# Altium PCB Ref-Board-1.5-WA-r1.0.PcbDoc
Units mm, origin at the board's own origin, x right, y up, seen from the top; angles counter-clockwise.
Board outline 58.75 x 18.75 mm, 2 copper layers (Top Layer, Bottom Layer), stack 1.535 mm thick; 73 components, 45 nets, 254 pads, 123 vias.
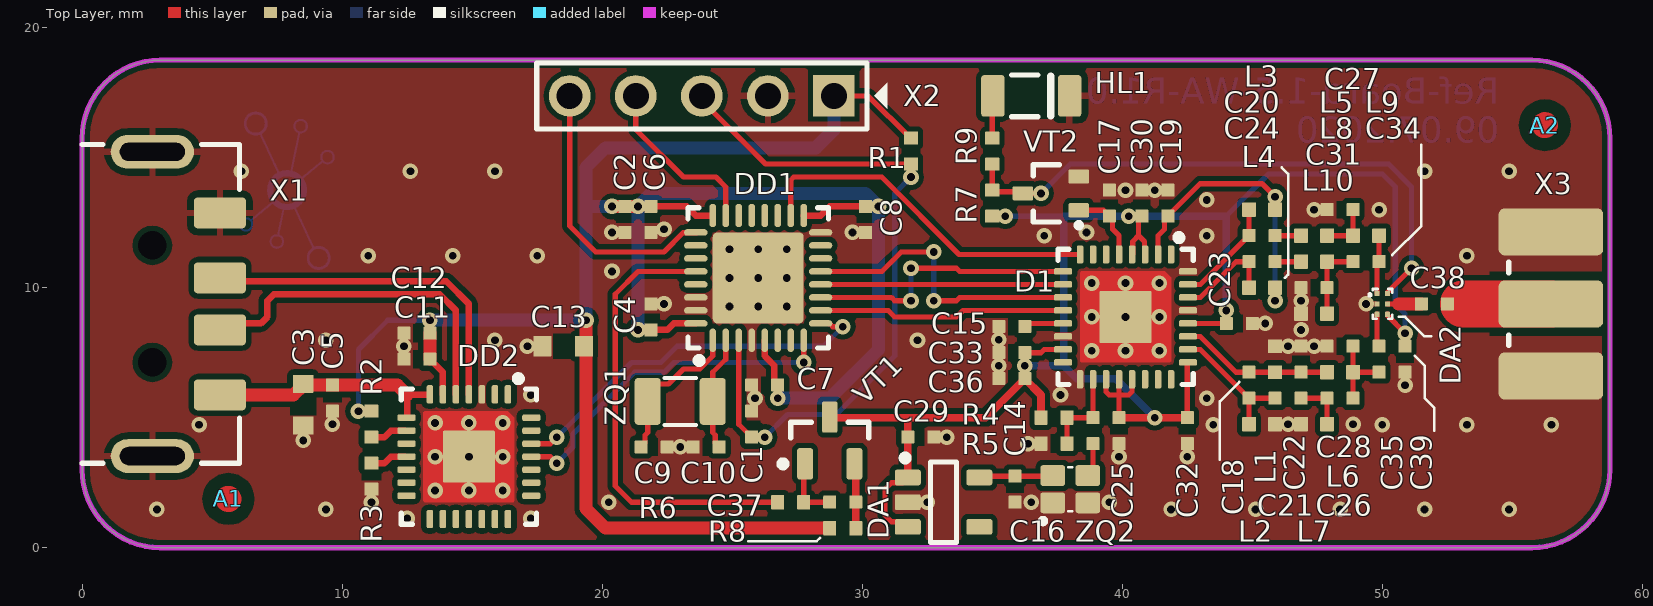
[diagram p0: Top Layer view]
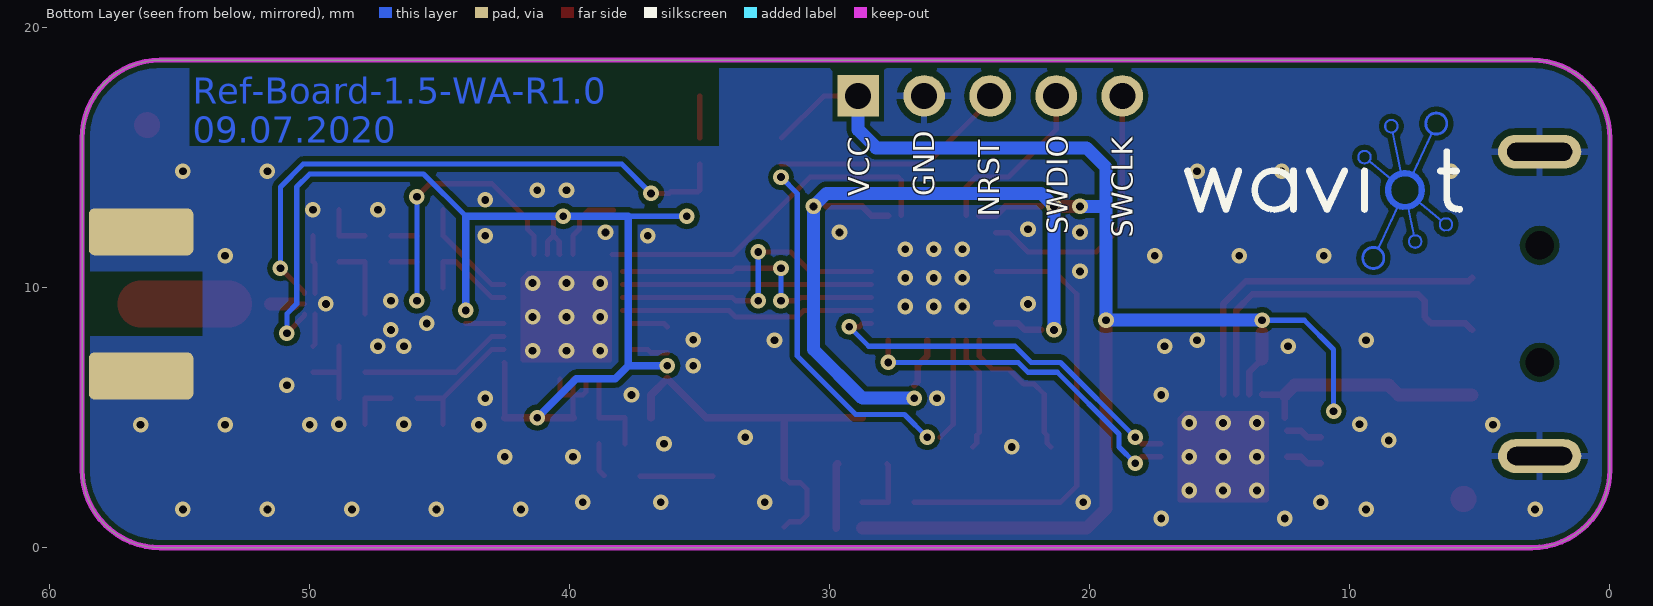
[diagram p1: Bottom Layer view, seen from below]
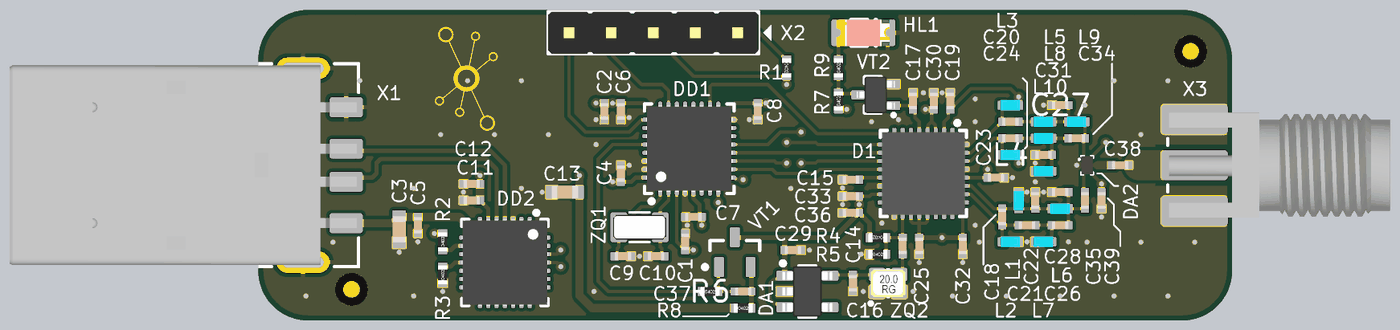
[diagram p2: 3D render of the assembled board from above, using the file's embedded part models]

## Layer stack, top to bottom
Top Solder: solder mask 0.0254, SM-001, Dk 4
Top Layer: signal copper 0.018
Dielectric 1: core 1.4986, Core-043, Dk 4.3
Bottom Layer: signal copper 0.018
Bottom Solder: solder mask 0.0254, SM-001, Dk 4

## Board outline
3,0 cw(c3,3) 0,3 0,15.75 cw(c3,15.75) 3,18.75 55.75,18.75 cw(c55.75,15.75) 58.75,15.75 58.75,3 cw(c55.75,3) 55.75,0

## Design rules (kind name [scope] priority, off if disabled: settings)
Clearance [All] p1: gap=0.125 ignorepadtopadclearanceinfootprint=FALSE except(0.2: Arc-Fill Arc-Poly Arc-Region Track-Fill Track-Poly Track-Region SMDPad-Fill SMDPad-Poly SMDPad-Region THPad-Fill THPad-Poly THPad-Region Via-Fill Via-Poly Via-Region Fill-Fill Fill-Poly Fill-Region Poly-Poly Poly-Region Region-Region)
ComponentClearance [All] p1: gap=0 collisioncheckmode=3 verticalgap=0 showdistances=FALSE
Height [All] p1: minheight=0 maxheight=32 prefheight=12.7
HoleSize [All] p1: absolutevalues=TRUE maxlimit=7 minlimit=0.2 maxpercent=80.000 minpercent=20.000
HoleToHoleClearance [All] p1: gap=0 allowstackedmicrovias=TRUE
MinimumSolderMaskSliver [All] p1 off: minsoldermaskwidth=0.1
PlaneClearance [All] p1: clearance=0.2
PlaneConnect [All] p1: planeconnectstyle=Direct reliefexpansion=0.508 reliefentries=4 reliefconductorwidth=0.254 reliefairgap=0.254
PolygonConnect PolygonConnectRelief [HasFootprint('1-1734028-1','PLS-5-2.54-PCB','LED1206_RED')] p1: thpad.connectstyle=Relief thpad.reliefconductorwidth=0.254 thpad.reliefentries=4 thpad.polygonreliefangle="90 Angle" thpad.airgapwidth=0.254 smdpad.connectstyle=Relief smdpad.reliefconductorwidth=0.254 smdpad.reliefentries=4 smdpad.polygonreliefangle="90 Angle" smdpad.airgapwidth=0.254 via.connectstyle=Direct via.reliefconductorwidth=0.254 via.reliefentries=4 via.polygonreliefangle="90 Angle" via.airgapwidth=0.254
PolygonConnect [All] p2: connectstyle=Direct reliefconductorwidth=0.254 reliefentries=4 polygonreliefangle="90 Angle" airgapwidth=0.254
RoutingVias [All] p1: holewidth=0.711 width=1.27 viastyle="Through Hole" minholewidth=0.711 minwidth=1.27 maxholewidth=0.711 maxwidth=1.27
SilkToSilkClearance [All] p1: silktosilkclearance=0
SilkToSolderMaskClearance [IsPad] p1: minsilkscreentomaskgap=0 clearancetoexposedcopper=TRUE
SolderMaskExpansion [All] p1: expansion=0.05 istentingtop=FALSE
Width [All] p1: maxlimit=3.2 minlimit=0.125 preferedwidth=0.2 minimp=50.000000 maximp=50.000000 favimp=50.000000
21 further rules are at their usual default settings.

## Components (designator, comment, footprint, x,y, rotation, side; value= is the part's Value field where it differs from the comment)
A1 "RepPointPCB" REPzn 5.625,1.875 r0 top
A2 "RepPointPCB" REPzn 56.25,16.25 r0 top
C1 "0.1u 25V" C0402 25.75,4.75 r90 top
C2 "4.7u 6.3V" C0402 20.875,12.625 r270 top
C3 "4.7u 10V" C0603 8.5,5.5 r90 top
C4 "0.1u 25V" C0402 21.875,8.875 r90 top
C5 "0.1u 25V" C0402 9.625,5.75 r90 top
C6 "0.1u 25V" C0402 21.875,12.625 r270 top
C7 "0.1u 25V" C0402 26.25,6.25 r180 top
C8 "0.1u 25V" C0402 30.125,12.625 r270 top
C9 "20p 50V" C0402 22,3.875 r0 top
C10 "20p 50V" C0402 24,3.875 r180 top
C11 "4.7u 6.3V" C0402 12.875,7.25 r0 top
C12 "0.1u 25V" C0402 12.875,8.25 r0 top
C13 "22u 6.3V" C0603 18.5,7.75 r0 top
C14 "1000p 50V" C0402 38.875,4.5 r90 top
C15 "0.1u 25V" C0402 35.75,8.5 r0 top
C16 "1u 6.3V" C0402 35.875,2.25 r90 top
C17 "0.1u 25V" C0402 39.5,13.25 r270 top
C18 "1.2p 50V" C0402 44.875,6.25 r270 top
C19 "0.1u 25V" C0402 41.75,13.25 r270 top
C20 "100p 50V" C0402 45.375,12 r0 top
C21 "2.7p 50V" C0402 46.375,5.75 r0 top
C22 "2.7p 50V" C0402 46.875,7.25 r270 top
C23 "0.1u 25V" C0402 44.5,8.625 r180 top
C24 "100p 50V" C0402 45.375,11 r0 top
C25 "0.1u 25V" C0402 39.875,4.5 r90 top
C26 "2.7p 50V" C0402 48.375,5.75 r0 top
C27 "6.2p 50V" C0402 48.375,13 r0 top
C28 "2.7p 50V" C0402 48.375,7.75 r0 top
C29 "1u 6.3V" C0402 32.25,4.25 r180 top
C30 "0.1u 25V" C0402 40.75,13.25 r270 top
C31 "3.6p 50V" C0402 47.375,10 r180 top
C32 "0.1u 25V" C0402 42.5,4.5 r90 top
C33 "0.1u 25V" C0402 35.75,7.5 r0 top
C34 "2.7p 50V" C0402 49.375,11 r0 top
C35 "100p 50V" C0402 49.875,7.25 r90 top
C36 "4.7u 6.3V" C0402 35.75,6.5 r0 top
C37 "0.1u 25V" C0402 29.25,1.75 r0 top
C38 "100p 50V" C0402 52,9.375 r0 top
C39 "0.1u 25V" C0402 50.875,7.25 r90 top
D1 "SWS1470-A0 QFN32" QFN32 40.125,8.875 r270 top
DA1 "AP2127K-1.8TRG1" SOT23-5 33.125,1.75 r270 top
DA2 "BGS12WN6E6327XTSA1" 6-XFDFN 50,9.375 r0 top
DD1 "STM32L071KBU6" UFQFPN32 26,10.375 r90 top
DD2 "CP2102-GMR" QFN28 14.875,3.5 r270 top
HL1 "APTR3216SRCPRV" LED1206_RED 36.5,17.375 r0 top
L1 "82nH" L0402_LQW 45.875,7.25 r90 top
L2 "82nH" L0402_LQW 45.375,4.75 r180 top
L3 "82nH" L0402_LQW 45.375,13 r0 top
L4 "82nH" L0402_LQW 45.375,10 r180 top
L5 "12nH" L0402_LQW 47.375,12 r0 top
L6 "10nH" L0402_LQW 48.375,6.75 r0 top
L7 "10nH" L0402_LQW 47.375,4.75 r0 top
L8 "12nH" L0402_LQW 47.375,11 r0 top
L9 "12nH" L0402_LQW 49.375,12 r0 top
L10 "12nH" L0402_LQW 47.375,9 r0 top
R1 "10k 1%" R0402 31.875,15.25 r270 top
R2 "10k 1%" R0402 11.125,4.75 r90 top
R3 "10k 1%" R0402 11.125,2.75 r90 top
R4 "1M 1%" R0402 37.375,5 r180 top
R5 "1M 1%" R0402 37.375,4 r0 top
R6 "1k 1%" R0402 27.25,1.75 r0 top
R7 "1k 1%" R0402 35,13.25 r90 top
R8 "1R 1%" R0402 29.25,0.75 r0 top
R9 "1k 1%" R0402 35,15.25 r90 top
VT1 "DMG2301L" SOT23-3L 28.75,4.125 r0 top
VT2 "PDTC143ZU" SOT323 37.25,13.625 r90 top
X1 "1-1734028-1" 1-1734028-1 0,9.375 r270 top locked
X2 "PLS-5" PLS-5-2.54-PCB 23.83,17.375 r180 top
X3 "CON-SMA-EDGE-S" CON-SMA-EDGE-S 58.75,9.375 r270 top locked
ZQ1 "32.768 kHz" QSMD3.2X1.5X0.8 23,5.625 r0 top
ZQ2 "26MHz 2ppm" QSMD2.0x1.6x0.7 38,2.25 r0 top

## Footprints (in the part's own frame and the unit in brackets; to place one, negate y for a bottom-side part, rotate by r counter-clockwise, add the part's x,y. Pads: shape width x height; smd on the part's side, far side on the other; paste and mask are expansions set on the pad)
1-1734028-1 [mm] "USB-A Connector 4 Position Surface Mount, Right Angle; Through Hole"
  rrect25% 1.2x2 smd: 1(3.5,5.3) 2(1,5.3) 3(-1,5.3) 4(-3.5,5.3)
  oval 1.3x3.2 hole 0.7 slot 2.5 at 90 deg: 5(-5.85,2.7) 5(5.85,2.7)
  round 0 hole 1.1 unplated mask+0: ""(-2.25,2.7) ""(2.25,2.7)
  silkscreen extent -6.12,0 6.12,6.05, body extent -6.02,-15 6.02,5.95, height 2.25
6-XFDFN [mm] "QFN, 10-Leads, Body 1,15x1,55mm, Pitch 0,4mm"
  rrect25% 0.2x0.2 smd: 1(-0.2,0.4) 2(-0.2,0) 3(-0.2,-0.4) 4(0.2,-0.4) 5(0.2,0) 6(0.2,0.4)
  silkscreen extent -0.52,-0.57 0.37,0.57, body extent -0.35,-0.55 0.35,0.55, height 0.38
C0402 [mm] "Chip Capacitor 0402"
  rrect10% 0.5x0.5 smd: 1(-0.5,0) 2(0.5,0)
  Top Layer pour cut-out: -0.15,0.35 0.15,0.35 0.15,-0.35 -0.15,-0.35
  body extent -0.5,-0.25 0.5,0.25, height 0.5
C0603 [mm] "Chip Capacitor 0603"
  rrect10% 0.7x0.8 smd: 1(-0.8,0) 2(0.8,0)
  Top Layer pour cut-out: -0.4,0.5 0.4,0.5 0.4,-0.5 -0.4,-0.5
  body extent -0.8,-0.4 0.8,0.4, height 0.8
CON-SMA-EDGE-S [mm]
  rrect25% 1.81x4.022 smd: 1(0,-2.267) 2(-2.77,-2.267) 2(2.77,-2.267)
  rrect25% 1.81x4.022 smd far side: 2(-2.77,-2.267) 2(2.77,-2.267)
  Multi-Layer pour cut-out: -1.25,-4.63 1.25,-4.63 1.25,-0.055 -1.25,-0.055
  silkscreen extent -1.6,-3.88 1.6,-3.88, body extent -3.17,-3.81 3.17,9.52, height 3.83
L0402_LQW [mm] "Chip Inductor 0402"
  rrect10% 0.53x0.55 smd: 1(-0.5,0) 2(0.5,0)
  body extent -0.59,-0.32 0.6,0.32, height 0.65
LED1206_RED [mm]
  rrect25% 0.9x1.6 smd: 1(-1.475,0) 2(1.475,0)
  Top Layer pour cut-out: -0.85,0.9 0.85,0.9 0.85,-0.9 -0.85,-0.9
  silkscreen extent -0.75,-0.8 0.75,0.8, body extent -1.6,-0.8 1.6,0.8, height 1.1
PLS-5-2.54-PCB [mm] "Lead spase 2.54, 5-pin"
  rect 1.6x1.6 hole 1: 1(-5.08,0)
  round 1.6 hole 1: 2(-2.54,0) 3(0,0) 4(2.54,0) 5(5.08,0)
  silkscreen extent -7.12,-1.27 6.35,1.27, body extent -6.35,-1.27 6.35,1.27, height 8.54
QFN28 [mm] "QFN, 28-Leads, Body 5,00x5,00mm, Pitch 0,50mm, Thermal Pad 3,5x3,5mm"
  rrect50% 0.7x0.25 smd: 1(-2.4,1.5) 2(-2.4,1) 3(-2.4,0.5) 4(-2.4,0) 5(-2.4,-0.5) 6(-2.4,-1) 7(-2.4,-1.5) 15(2.4,-1.5) 16(2.4,-1) 17(2.4,-0.5) 18(2.4,0) 19(2.4,0.5) 20(2.4,1) 21(2.4,1.5)
  rrect50% 0.25x0.7 smd: 8(-1.5,-2.4) 9(-1,-2.4) 10(-0.5,-2.4) 11(0,-2.4) 12(0.5,-2.4) 13(1,-2.4) 14(1.5,-2.4) 22(1.5,2.4) 23(1,2.4) 24(0.5,2.4) 25(0,2.4) 26(-0.5,2.4) 27(-1,2.4) 28(-1.5,2.4)
  rrect5% 2x2 smd mask+0.05: 29(0,0)
  Top Layer region: -1.75,1.5 -1.5,1.75 1.7,1.75 1.75,1.7 1.75,-1.7 1.7,-1.75 -1.7,-1.75 -1.75,-1.7
  silkscreen extent -3.12,-2.6 2.6,2.6, body extent -2.6,-2.6 2.6,2.6, height 1
QFN32 [mm] "QFN, 32-Leads, Body 5,00x5,00mm, Pitch 0,50mm, Thermal Pad 3,5x3,5mm"
  rrect50% 0.7x0.25 smd: 1(-2.4,1.75) 2(-2.4,1.25) 3(-2.4,0.75) 4(-2.4,0.25) 5(-2.4,-0.25) 6(-2.4,-0.75) 7(-2.4,-1.25) 8(-2.4,-1.75) 17(2.4,-1.75) 18(2.4,-1.25) 19(2.4,-0.75) 20(2.4,-0.25) 21(2.4,0.25) 22(2.4,0.75) 23(2.4,1.25) 24(2.4,1.75)
  rrect50% 0.25x0.7 smd: 9(-1.75,-2.4) 10(-1.25,-2.4) 11(-0.75,-2.4) 12(-0.25,-2.4) 13(0.25,-2.4) 14(0.75,-2.4) 15(1.25,-2.4) 16(1.75,-2.4) 25(1.75,2.4) 26(1.25,2.4) 27(0.75,2.4) 28(0.25,2.4) 29(-0.25,2.4) 30(-0.75,2.4) 31(-1.25,2.4) 32(-1.75,2.4)
  rrect5% 2x2 smd mask+0.05: 33(0,0)
  Top Layer region: -1.75,1.5 -1.5,1.75 1.7,1.75 1.75,1.7 1.75,-1.7 1.7,-1.75 -1.7,-1.75 -1.75,-1.7
  silkscreen extent -3.17,-2.6 2.6,2.6, body extent -2.5,-2.5 2.5,2.5, height 0.94
QSMD2.0x1.6x0.7 [mm]
  rrect25% 0.95x0.8 smd: 1(-0.675,-0.525) 2(0.675,-0.525) 3(0.675,0.525) 4(-0.675,0.525)
  silkscreen extent -1.15,-1.32 0.08,0.85, body extent -1.05,-0.85 1.05,0.85, height 0.56
QSMD3.2X1.5X0.8 [mm]
  rrect25% 1x1.8 smd: 1(-1.25,0) 3(1.25,0)
  silkscreen extent -0.6,-0.9 0.6,0.9, body extent -1.6,-0.75 1.6,0.75, height 0.71
R0402 [mm] "Chip Resistor 0402"
  rrect10% 0.5x0.55 smd: 1(-0.5,0) 2(0.5,0)
  Top Layer pour cut-out: -0.15,0.375 0.15,0.375 0.15,-0.375 -0.15,-0.375
  body extent -0.57,-0.27 0.57,0.27, height 0.41
REPzn [mm]
  Top Layer circle w0.5: c0,0 r0.25
  Top Layer pour cut-out: -0.725,0.7 -0.55,0.825 -0.375,0.925 -0.2,0.975 0,1 0.2,0.975 0.375,0.925 0.55,0.825 0.725,0.7 0.85,0.525 0.925,0.375 0.975,0.175 1,0 0.975,-0.2 0.925,-0.4 0.825,-0.55 0.725,-0.7 0.575,-0.825 0.4,-0.925 0.2,-0.975 0,-1 -0.2,-0.975 -0.375,-0.925 -0.55,-0.825 -0.725,-0.7 -0.825,-0.55 -0.925,-0.375 -0.975,-0.2 -1,0 -0.975,0.2 -0.925,0.375 -0.825,0.55
SOT23-3L [mm] "SOT23, 3-Leads, Body 2.9x1.3mm, Pitch 0.95mm, Lead Span 2.5mm, IPC High Density"
  rrect25% 0.6x1.2 smd: 1(-0.95,-0.9) 2(0.95,-0.9) 3(0,0.9)
  silkscreen extent -1.92,-1.02 1.5,0.7, body extent -1.45,-1.4 1.45,1.4, height 1.3
SOT23-5 [mm] "SOT23, 5-Leads, Body 2,90x2,80mm, Pitch 0,95mm, IPC Medium Density"
  rrect25% 0.6x1 smd: 1(-0.95,-1.375) 2(0,-1.375) 3(0.95,-1.375) 4(0.95,1.375) 5(-0.95,1.375)
  silkscreen extent -1.82,-1.6 1.55,0.5, body extent -1.53,-1.5 1.52,1.5, height 1.45
SOT323 [mm] "SOT323, 3-Leads, Body 2,00x2,10mm, Pitch 0,65mm, IPC Medium Density"
  rrect25% 0.55x0.8 smd: 1(-0.65,-1.075) 2(0.65,-1.075) 3(0,1.075)
  silkscreen extent -1.32,-1.17 1.1,0.67, body extent -1.1,-1.15 1.1,1.15, height 1.1
UFQFPN32 [mm] "QFN, 32-Leads, Body 5,00x5,00mm, Pitch 0,50mm, Thermal Pad 3,50x3,50mm, IPC Medium Density"
  oval 0.9x0.25 smd: 1(-2.4,1.75) 2(-2.4,1.25) 3(-2.4,0.75) 4(-2.4,0.25) 5(-2.4,-0.25) 6(-2.4,-0.75) 7(-2.4,-1.25) 8(-2.4,-1.75) 17(2.4,-1.75) 18(2.4,-1.25) 19(2.4,-0.75) 20(2.4,-0.25) 21(2.4,0.25) 22(2.4,0.75) 23(2.4,1.25) 24(2.4,1.75)
  oval 0.25x0.9 smd: 9(-1.75,-2.4) 10(-1.25,-2.4) 11(-0.75,-2.4) 12(-0.25,-2.4) 13(0.25,-2.4) 14(0.75,-2.4) 15(1.25,-2.4) 16(1.75,-2.4) 25(1.75,2.4) 26(1.25,2.4) 27(0.75,2.4) 28(0.25,2.4) 29(-0.25,2.4) 30(-0.75,2.4) 31(-1.25,2.4) 32(-1.75,2.4)
  rrect10% 3.5x3.5 smd: 33(0,0)
  silkscreen extent -3.3,-2.7 2.7,2.7, body extent -2.6,-2.6 2.6,2.6, height 0.6

## Part data
A1 A2: library part RepPointCircD1.0, "Repere point d=0.5mm, D=1mm"
C1 C4 C5 C6 C7 C8 C12 C15 C17 C19 C23 C25 C30 C32 C33 C37 C39: library part CC0402KRX7R8BB104, "CAP CER 0.1UF 25V X7R 0402", PartNumber=CC0402KRX7R8BB104
C2 C11 C36: library part CC0402KRX5R5BB475, "CAP CER 4.7UF 6.3V X5R 0402", PartNumber=CC0402KRX5R5BB475
C3: library part CC0603KRX5R6BB475, "CERCAP 4.7/10V 0603 KX5R", PartNumber=CC0603KRX5R6BB475
C9 C10: library part CC0402JRNPO9BN200, "CAP CER 20PF 50V C0G/NPO 0402", PartNumber=CC0402JRNPO9BN200
C13: library part GRM188R60J226MEA0J, "CAP CER 22UF 6.3V X5R 0603", PartNumber=GRM188R60J226MEA0J
C14: library part CC0402JRX7R9BB102, "CAP CER 1000PF 50V X7R 0402", PartNumber=CC0402JRX7R9BB102
C16 C29: library part CC0402KRX5R5BB105, "CAP CER 1UF 6.3V X5R 0402", PartNumber=CC0402KRX5R5BB105
C18: library part CC0402BRNPO9BN1R2, "CAP CER 1.2PF 50V C0G/NPO 0402", PartNumber=CC0402BRNPO9BN1R2
C20 C24 C35 C38: library part CC0402JRNPO9BN101, "CAP CER 100PF 50V C0G/NPO 0402", PartNumber=CC0402JRNPO9BN101
C21 C22 C26 C28 C34: library part CC0402BRNPO9BN2R7, "CAP CER 2.7PF 50V C0G/NPO 0402", PartNumber=CC0402BRNPO9BN2R7
C27: library part CC0402CRNPO9BN6R2, "CAP CER 6.2PF 50V NPO 0402", PartNumber=CC0402CRNPO9BN6R2
C31: library part CC0402BRNPO9BN3R6, "CAP CER 3.6PF 50V NPO 0402", PartNumber=CC0402BRNPO9BN3R6
D1: "Waviot NB-Fi RF Transceiver QFN32", PartNumber="SWS1470-A0 QFN32"
DA1: "LDO Voltage Regulators 1.8V 80mA CMOS LDO w/Enable", PartNumber=AP2127K-1.8TRG1
DA2: "RF Switch IC WLAN SPDT 50Ohm PG-TSNP-6-10", PartNumber=BGS12WN6E6327XTSA1
DD1: "ARM® Cortex®-M0+ STM32L0 Microcontroller IC 32-Bit 32MHz 128KB (128K x 8) FLASH 32-UFQFPN (5x5)", PartNumber=STM32L071KBU6
DD2: "IC USB-TO-UART BRIDGE 28VQFN", PartNumber=CP2102-GMR
HL1: "Red 640nm LED Indication - Discrete 1.85V 1206", PartNumber=APTR3216SRCPRV
L1 L2 L3 L4: library part LQW15AN82NG00D, "FIXED IND 82NH 130MA 2.24 OHM", PartNumber=LQW15AN82NG00D
L5 L8 L9 L10: library part LQW15AN12NG00D, "FIXED IND 12NH 500MA 140 MOHM", PartNumber=LQW15AN12NG00D
L6 L7: library part LQW15AN10NG00D, "FIXED IND 10NH 500MA 170 MOHM", PartNumber=LQW15AN10NG00D
R1 R2 R3: library part RC0402FR-0710KL, "RES SMD 10K OHM 1% 1/16W 0402", PartNumber=RC0402FR-0710KL
R4 R5: library part RC0402FR-071ML, "RES SMD 1M OHM 1% 1/16W 0402", PartNumber=RC0402FR-071ML
R6 R7 R9: library part RC0402FR-071KL, "RES SMD 1K OHM 1% 1/16W 0402", PartNumber=RC0402FR-071KL
R8: library part RC0402FR-071RL, "RES SMD 1 OHM 1% 1/16W 0402", PartNumber=RC0402FR-071RL
VT1: "MOSFET P-CH 20V 3A SOT23", PartNumber=DMG2301L
VT2: "TRANS PREBIAS NPN 200MW SOT323", PartNumber=PDTC143ZU
X1: "USB-A (USB TYPE-A) USB 2.0 Plug", PartNumber=1-1734028-1
X2: "PLS-5-2.54", PartNumber=PLS-5
X3: "CONN SMA JACK STR EDGE MNT", PartNumber=CON-SMA-EDGE-S
ZQ1: library part NX3215SA-32.768K-EXS00A, "CRYSTAL 32.768KHZ 12.5PF SMD", PartNumber=NX3215SA-32.768K-EXS00A
ZQ2: library part NT2016SA-26.000000MHZ-NBG2, "TCXO Oscillator 4-pin", PartNumber=NT2016SA-26.000000MHZ-NBG2

## Via types
v1: diameter 0.6, hole 0.3, Top Layer to Bottom Layer, tented both sides, 123 vias

## Nets (pads, with @x,y where several pads share a name; then routed paths per layer and width w, separated by ;. In a path a pad name is that pad's centre, name@x,y a point inside that pad or via, vN(x,y) a via of type N, cw(c..) or ccw(c..) an arc to the next point about the centre after c; other vN are vias at no path point)
+5V: C3.2 C5.2 DD2.7 DD2.8 X1.1 | length 9.2
  Top Layer w0.25: DD2.8@12.5,5 12.5,5.729 12.646,5.875 13.375,5.875 DD2.7
  Top Layer w0.5: X1.1 8.125,5.875 8.5,6.25 C5.2 12.125,6.25 12.5,5.875
CHIP_IRQ: D1.8 DD1.18 | length 13.8
  Top Layer w0.2: DD1.18 27.25,14.133 27.367,14.25 30.75,14.25 33.725,11.275 D1.8
CHIP_NPWR: DD1.28 R6.1 | length 17.3
  Top Layer w0.2: DD1.28 21.375,10.625 20.5,9.75 20.5,2.375 21.125,1.75 R6.1
CHIP_NSS: D1.12 DD1.10 | length 9.8
  Top Layer w0.2: DD1.10 31,9.125 31.25,8.875 33.625,8.875 33.875,9.125 D1.12@37.975,9.125
CHIPVCC: C23.2 C25.2 C29.2 C30.2 C32.2 C33.2 C36.2 C39.2 D1.3 D1.4 D1.15 D1.19 D1.20 D1.21 D1.25 D1.28 DA1.1 DA1.3 DA2.4 R4.2 R7.1 VT1.3 | length 67.2
  Top Layer w0.2: DA1.3 31.55,1 31.125,1 30.875,1.25 30.875,2.25 31.125,2.5 31.55,2.5 DA1.1 ; C33.2 36.875,7.5 37,7.625 D1.15 ; D1.19@39.375,6.5 39.375,6 39.5,5.875 39.875,5.875 ; C25.2 39.875,5.875 ; D1.20 39.875,5.875 ; D1.21 40.375,6 40.25,5.875 39.875,5.875 ; D1.4 40.4,11.3 40.4,11.775 40.625,12 ; C30.2 40.625,12.625 40.625,12 ; D1.3 40.85,11.3 40.85,11.775 40.625,12 ; C32.2 42.5,7.1 D1.25 ; D1.28 C23.2 ; DA2.4 50.2,8.925 v1(50.875,8.25)
  Top Layer w0.3: VT1.3@28.75,5 32,5 ; DA1.1 C29.2 31.75,5 34.75,5 C36.2 36.875,5.875 R4.2 ; C25.2 C32.2
  Bottom Layer w0.2: v1(35.5,12.75) 37.75,12.75 ; 44,12.75 45.625,14.375 50,14.375 50.5,13.875 50.5,9.375 50.875,9 v1(50.875,8.25)
  Bottom Layer w0.3: v1(36.25,7) 37.75,7 ; v1(41.25,5) 39.75,6.5 38.25,6.5 37.75,7 ; v1(44,9.125) 44,12.75 v1(40.25,12.75) 37.75,12.75 37.75,7
GND: C1.2 C2.2 C3.1 C4.2 C5.1 C6.2 C7.2 C8.2 C9.2 C10.2 C11.1 C12.1 C13.1 C15.1 C16.1 C17.1 C19.1 C22.1 C23.1 C25.1 C27.1 C28.1 C29.1 C30.1 C31.2 C32.1 C33.1 C36.1 C39.1 D1.14 D1.17 D1.29 D1.32 D1.33 DA1.2 DA2.2 DD1.4 DD1.16 DD1.30 DD1.31 DD1.33 DD2.3 DD2.29 HL1.2 L1.2 L2.1 L7.1 L10.1 R3.1 R5.1 VT2.2 X1.4 X1.5 X2.2 X3.2 ZQ2.1 ZQ2.2
  other v1: 12.5,1.125 17.25,1.125 2.875,1.475 9.375,1.475 41.875,1.475 45.125,1.475 48.375,1.475 51.625,1.475 54.875,1.475 11.125,1.75 20.25,1.75 32.5,1.75 36.5,1.75 39.5,1.75 13.575,2.2 14.875,2.2 16.175,2.2 13.575,3.5 14.875,3.5 16.175,3.5 39.875,3.5 42.5,3.5 23,3.875 36.375,4 8.5,4.125 33.25,4.25 4.5,4.725 43.5,4.725 50,4.725 53.25,4.725 56.5,4.725 9.625,4.75 46.375,4.75 48.875,4.75 13.575,4.8 14.875,4.8 16.175,4.8 25.875,5.75 43.25,5.75 17.25,5.875 37.625,5.875 50.875,6.25 35.25,7 38.825,7.575 40.125,7.575 41.425,7.575 12.375,7.75 17.125,7.75 46.375,7.75 47.375,7.75 9.375,7.975 15.875,7.975 32.125,7.975 35.25,8 46.875,8.375 45.5,8.625 38.825,8.875 40.125,8.875 41.425,8.875 24.9,9.275 26,9.275 27.1,9.275 22.375,9.375 49.375,9.375 46.875,9.5 38.825,10.175 40.125,10.175 41.425,10.175 24.9,10.375 26,10.375 27.1,10.375 20.375,10.625 11,11.225 14.25,11.225 17.5,11.225 53.25,11.225 24.9,11.475 26,11.475 27.1,11.475 37,12 43.25,12 20.375,12.125 29.625,12.125 38.625,12.125 22.375,12.25 47.375,13 49.875,13 43.25,13.375 40.125,13.75 41.25,13.75 6.125,14.475 12.625,14.475 15.875,14.475 51.625,14.475 54.875,14.475
LDO_PA: C19.2 D1.2 L3.2 L4.1 | length 10.5
  Top Layer w0.2: D1.2 41.375,11.997 41.625,12.247 41.625,12.625 C19.2 43,14 45.375,14 v1(45.875,13.5)
  Bottom Layer w0.2: v1(45.875,9.5) v1(45.875,13.5)
NetC9_1: C9.1 DD1.1 ZQ1.1 | length 5.8
  Top Layer w0.2: C9.1 21.65,4.025 21.65,4.325 21.75,4.425 ZQ1.1 21.75,5.902 22.148,6.3 22.55,6.3 23.125,6.875 23.75,6.875 24.25,7.375 DD1.1
NetC10_1: C10.1 DD1.2 ZQ1.3 | length 4.4
  Top Layer w0.2: C10.1 24.35,4.025 24.35,4.325 24.25,4.425 ZQ1.3 24.25,6.75 24.75,7.25 DD1.2
NetC14_1: C14.1 ZQ2.3 | length 1.3
  Top Layer w0.2: ZQ2.3 38.875,2.975 C14.1
NetC14_2: C14.2 D1.18 R4.1 R5.2 | length 3.5
  Top Layer w0.2: R5.2 R4.1 C14.2 D1.18
NetC15_2: C15.2 D1.13 | length 1.5
  Top Layer w0.2: C15.2 36.375,8.625 D1.13
NetC16_2: C16.2 DA1.5 ZQ2.4 | length 2.8
  Top Layer w0.2: DA1.5@34.5,2.75 C16.2 ZQ2.4@37.3,2.75
NetC18_1: C18.1 C22.2 D1.27 L1.1 L6.1 | length 5.9
  Top Layer w0.2: D1.27 43,8.125 44.375,6.75 C18.1 ; C18.1 L6.1
NetC18_2: C18.2 C21.1 D1.26 L2.2 | length 5.1
  Top Layer w0.2: D1.26 43,7.625 C18.2 L2.2 ; C18.2 C21.1
NetC20_1: C20.1 D1.31 L3.1 | length 4.1
  Top Layer w0.2: D1.31 43,10.125 C20.1 L3.1
NetC20_2: C20.2 L5.1 | length 1
  Top Layer w0.2: C20.2 L5.1
NetC21_2: C21.2 C26.1 L7.2 | length 2
  Top Layer w0.2: C21.2 C26.1 L7.2
NetC24_1: C24.1 D1.30 L4.2 | length 3.9
  Top Layer w0.2: D1.30 43,9.625 44.375,11 C24.1 L4.2
NetC24_2: C24.2 L8.1 | length 1
  Top Layer w0.2: C24.2 L8.1
NetC26_2: C26.2 C28.2 C35.1 L6.2 | length 3
  Top Layer w0.2: C26.2 48.875,6.25 C28.2 ; L6.2 C35.1
NetC27_2: C27.2 L5.2 L9.1 | length 2
  Top Layer w0.2: L5.2 L9.1 C27.2
NetC31_1: C31.1 C34.1 L8.2 L10.2 | length 3
  Top Layer w0.2: L10.2 C31.1 L8.2 C34.1
NetC34_2: C34.2 DA2.1 L9.2 | length 2.3
  Top Layer w0.2: DA2.1 49.8,10.925 C34.2 L9.2
NetC35_2: C35.2 DA2.3 | length 1.3
  Top Layer w0.2: DA2.3 49.8,7.825 C35.2
NetC37_1: C37.1 R6.2 VT1.1 | length 2.5
  Top Layer w0.2: VT1.1 27.75,3.175 R6.2 C37.1
NetC37_2: C37.2 R8.2 VT1.2 | length 2.5
  Top Layer w0.3: VT1.2 29.75,3.175 C37.2 R8.2
NetC38_1: C38.1 DA2.5 | length 1.3
  Top Layer w0.2: DA2.5 50.625,9.375
  Top Layer w0.5: 50.625,9.375 C38.1
NetC38_2: C38.2 X3.1 | length 3.4
  Top Layer w1.81: 53.125,9.375 X3.1
NetDD2_9: DD2.9 R2.1 | length 1.4
  Top Layer w0.25: R2.1 11.625,4.25 11.875,4.5 DD2.9@12.4,4.5
NetDD2_11: DD2.11 R3.2 | length 1.4
  Top Layer w0.25: R3.2 11.625,3.25 11.875,3.5 DD2.11@12.4,3.5
NetHL1_1: HL1.1 R9.2 | length 1.6
  Top Layer w0.2: R9.2 HL1.1@35,17.375
NRST: C1.1 DD1.3 R1.2 X2.3 | length 26.6
  Top Layer w0.2: X2.3 23.83,17.195 26.275,14.75 R1.2 ; DD1.3 25.25,4.75 C1.1
  Bottom Layer w0.2: X2.3@23.875,17.33 X2.3@23.875,17.375 ; v1(26.25,4.25) 27.125,5.125 29,5.125 31.25,7.375 31.25,13.625 v1(31.875,14.25)
RX_EN: C17.2 D1.5 VT2.1 | length 2.9
  Top Layer w0.2: VT2.1 39.275,12.975 C17.2 39.625,12.625 39.625,12.25 39.875,12 D1.5
RX_NEN: DA2.6 R7.2 R9.1 VT2.3 | length 22.5
  Top Layer w0.2: R9.1 R7.2 35.063,13.687 36.113,13.687 VT2.3 v1(36.875,13.625) ; DA2.6 50.2,9.825 v1(51.125,10.75)
  Bottom Layer w0.2: v1(36.875,13.625) 38,14.75 50.25,14.75 51.125,13.875 v1(51.125,10.75)
SPI1_MISO: D1.10 DD1.12 | length 9.6
  Top Layer w0.2: DD1.12 D1.10@37.975,10.125
SPI1_MOSI: D1.11 DD1.13 | length 11.8
  Top Layer w0.2: DD1.13 30.75,10.625 31.5,11.375 v1(32.75,11.375) ; v1(32.75,9.5) 33.625,9.5 33.75,9.625 D1.11 D1.11@37.975,9.625
  Bottom Layer w0.2: v1(32.75,9.5) v1(32.75,11.375)
SPI1_SCK: D1.9 DD1.11 | length 10.9
  Top Layer w0.2: DD1.11 31.125,9.625 31.25,9.5 v1(31.875,9.5) ; v1(31.875,10.75) 33.625,10.75 33.75,10.625 D1.9 D1.9@37.975,10.625
  Bottom Layer w0.2: v1(31.875,9.5) v1(31.875,10.75)
SWCLK: DD1.25 X2.5 | length 11.1
  Top Layer w0.2: X2.5@18.75,17.875 18.75,12.375 19.75,11.375 22.375,11.375 23.115,12.115 23.615,12.115 DD1.25@23.625,12.125
SWDIO: DD1.23 X2.4 | length 6.8
  Top Layer w0.2: X2.4 21.29,16.085 23.125,14.25 24.375,14.25 24.75,13.875 DD1.23
URX: DD1.9 DD2.26 | length 14.5
  Top Layer w0.2: DD2.26 18,4 v1(18.25,4.25) ; DD1.9 28.739,8.625 28.864,8.5 v1@29,8.5
  Bottom Layer w0.2: v1(18.25,4.25) 21.125,7.125 22.25,7.125 22.875,7.75 28.5,7.75 v1(29.25,8.5)
USB_M: DD2.5 X1.2 | length 13.5
  Top Layer w0.25: X1.2 5.55,8.625 6.875,8.625 7.125,8.875 7.125,9.5 7.375,9.75 13.75,9.75 14.375,9.125 DD2.5
USB_P: DD2.4 X1.3 | length 13.5
  Top Layer w0.25: X1.3 5.425,10.25 14,10.25 14.875,9.375 14.875,6.525 DD2.4
UTX: DD1.8 DD2.25 | length 13.3
  Top Layer w0.2: DD2.25 18,3.5 v1(18.25,3.25) ; v1(27.75,7.125) DD1.8
  Bottom Layer w0.2: v1(18.25,3.25) 18.875,3.875 18.875,4.375 21.25,6.75 22.375,6.75 22.75,7.125 v1(27.75,7.125)
VCC: C2.1 C4.1 C6.1 C7.1 C8.1 C11.2 C12.2 C13.2 DD1.5 DD1.17 DD1.24 DD1.32 DD2.6 R1.1 R2.2 R8.1 X2.1 | length 87.4
  Top Layer w0.2: X2.1 30.225,17.375 R1.1@31.85,15.75
  Top Layer w0.25: C11.2 13.5,7.125 13.875,6.75 13.875,6.162 DD2.6 ; C4.1 22.5,8.375 22.75,8.625 DD1.32 ; C6.1 23.25,13.125 23.6,12.775 DD1.24 ; DD1.5 26.25,7.375 26.625,7 26.625,6.375 C7.1 ; DD1.17 28.4,12.775 28.75,13.125 C8.1
  Top Layer w0.5: C11.2 C12.2 ; v1(19.375,8.75) 19.375,1.5 20.125,0.75 R8.1 ; v1(20.375,13.125) C2.1 v1@21.415,13.125
  Bottom Layer w0.2: v1(10.625,5.25) 10.625,7.625 11.75,8.75 v1(13.375,8.75)
  Bottom Layer w0.5: v1(13.375,8.75) v1(19.375,8.75) 19.375,13.125 ; v1(20.375,13.125) 19.375,13.125 ; v1(21.375,8.375) v1(21.375,13.125) 21.875,13.625 30.125,13.625 v1(30.625,13.125) 30.625,7.625 28.75,5.75 v1(26.75,5.75) ; X2.1 28.91,16.068 28.217,15.375 20.125,15.375 19.375,14.625 19.375,13.125
pads on no net: D1.1 D1.6 D1.7 D1.16 D1.22 D1.23 D1.24 DA1.4 DD1.6 DD1.7 DD1.14 DD1.15 DD1.19 DD1.20 DD1.21 DD1.22 DD1.26 DD1.27 DD1.29 DD2.1 DD2.2 DD2.10 DD2.12 DD2.13 DD2.14 DD2.15 DD2.16 DD2.17 DD2.18 DD2.19 DD2.20 DD2.21 DD2.22 DD2.23 DD2.24 DD2.27 DD2.28 X1.

## Polygon pours and split planes (outlines as drawn)
GND on Bottom Layer "GndBottom" (solid, remove dead copper, pour order 1): 3,18.5 55.75,18.5 cw(c55.75,15.75) 58.5,15.75 58.5,3 cw(c55.75,3) 55.75,0.25 3,0.25 cw(c3,3) 0.25,3 0.25,15.75 cw(c3,15.75)
GND on Top Layer "GndTop" (solid, remove dead copper, pour order 0): 3,18.5 55.75,18.5 cw(c55.75,15.75) 58.5,15.75 58.5,3 cw(c55.755,2.995) 55.75,0.25 3,0.25 cw(c3,3) 0.25,3 0.25,15.75 cw(c3,15.75)

## Keep-outs
Keep-Out Layer:
  the board outline again, w0.2

## Other copper
Bottom Layer:
  region: 3755 vertices and 7 holes, not listed, extent 6.039,10.698 9.702,16.759
  text "Ref-Board-1.5-WA-R1.0 / 09.07.2020" at 54.5,15.57 h1

## Silkscreen, mask and mechanical layers (free items; w line width, h text height)
Top Overlay:
  lines w0.1: 25.625,0.25 28.25,0.25 28.375,0.375 ; 43.75,3.375 43.75,5.625 44.5,6.375 ; 46.125,14.625 46.375,14.375 46.375,10.5 46.25,10.375 ; 50.375,11.25 51.5,12.375 51.5,15.5 ; 50.625,8.875 50.875,8.875 51.625,8.125 51.875,8.125 ; 51.25,7.375 51.625,7 51.625,5.75 52,5.375 52,4.5
Bottom Overlay:
  drawing of 5 lines, arcs and shapes, not listed
  text "GND" at 25.975,13.517 h0.8 r270
  text "VCC" at 28.475,13.517 h0.8 r270
  text "NRST" at 23.475,12.718 h0.8 r270
  text "SWDIO" at 20.85,12.051 h0.8 r270
  text "SWCLK" at 18.35,11.918 h0.8 r270
Top Solder:
  region: 3755 vertices and 7 holes, not listed, extent 10.656,11.459 14.443,17.726
Bottom Solder:
  region: 3755 vertices and 7 holes, not listed, extent 6.039,10.698 9.702,16.759
  text "Ref-Board-1.5-WA-R1.0 / 09.07.2020" at 54.5,15.57 h1
Top Dimensions:
  lines w0.1: 49.175,26.55 49.425,26.55 ; 49.3,26.05 49.55,26.05 49.55,27.05 49.3,27.05 ; 49.3,26.05 49.05,26.05 49.05,27.05 49.3,27.05 ; 49.3,26.05 49.3,27.05 ; 49.3,26.05 49.3,27.05 ; -8.25,52.35 90.55,52.35 90.55,51.65 30.55,51.65 30.55,40.15 31.55,40.15 31.55,50.65 90.55,50.65 90.55,42.29 85.55,42.29 85.55,41.29 49.55,41.29 49.55,16.35 74.55,16.35 74.55,25.35 119,25.35 119,-4.77 118.121,-6 97.3,-6 97.3,20.9 101.75,20.9 101.75,21.4 96.8,21.4 96.8,-6 81.679,-6 80.8,-4.77 80.8,20.9 84.75,20.9 84.75,21.4 80.3,21.4 80.3,-4.93 81.421,-6.5 96.8,-6.5 96.8,-6.85 97.3,-6.85 97.3,-6.5 118.379,-6.5 119.5,-4.93 119.5,25.35 128.55,25.35 128.55,55.35 90.55,55.35 90.55,53.15 -8.25,53.15 -8.25,52.35 ; -3.25,5.15 -3.25,11.15 -1.25,11.15 -1.25,7.15 7.75,7.15 7.75,-5.85 43.75,-5.85 43.75,4.45 40.05,4.45 40.05,22.888 43.405,27.25 49.05,27.25 49.05,25.85 44.095,25.85 41.45,22.412 41.45,5.85 43.75,5.85 43.75,18.453 46.215,22.15 49.55,22.15 49.55,20.15 47.285,20.15 45.75,17.847 45.75,-7.85 5.75,-7.85 5.75,5.15 -3.25,5.15 ; -3.25,11.65 -3.25,16.65 -1.25,16.65 -1.25,11.65 -3.25,11.65